# KiCad board omodri_sa_laas.kicad_pcb (continued)
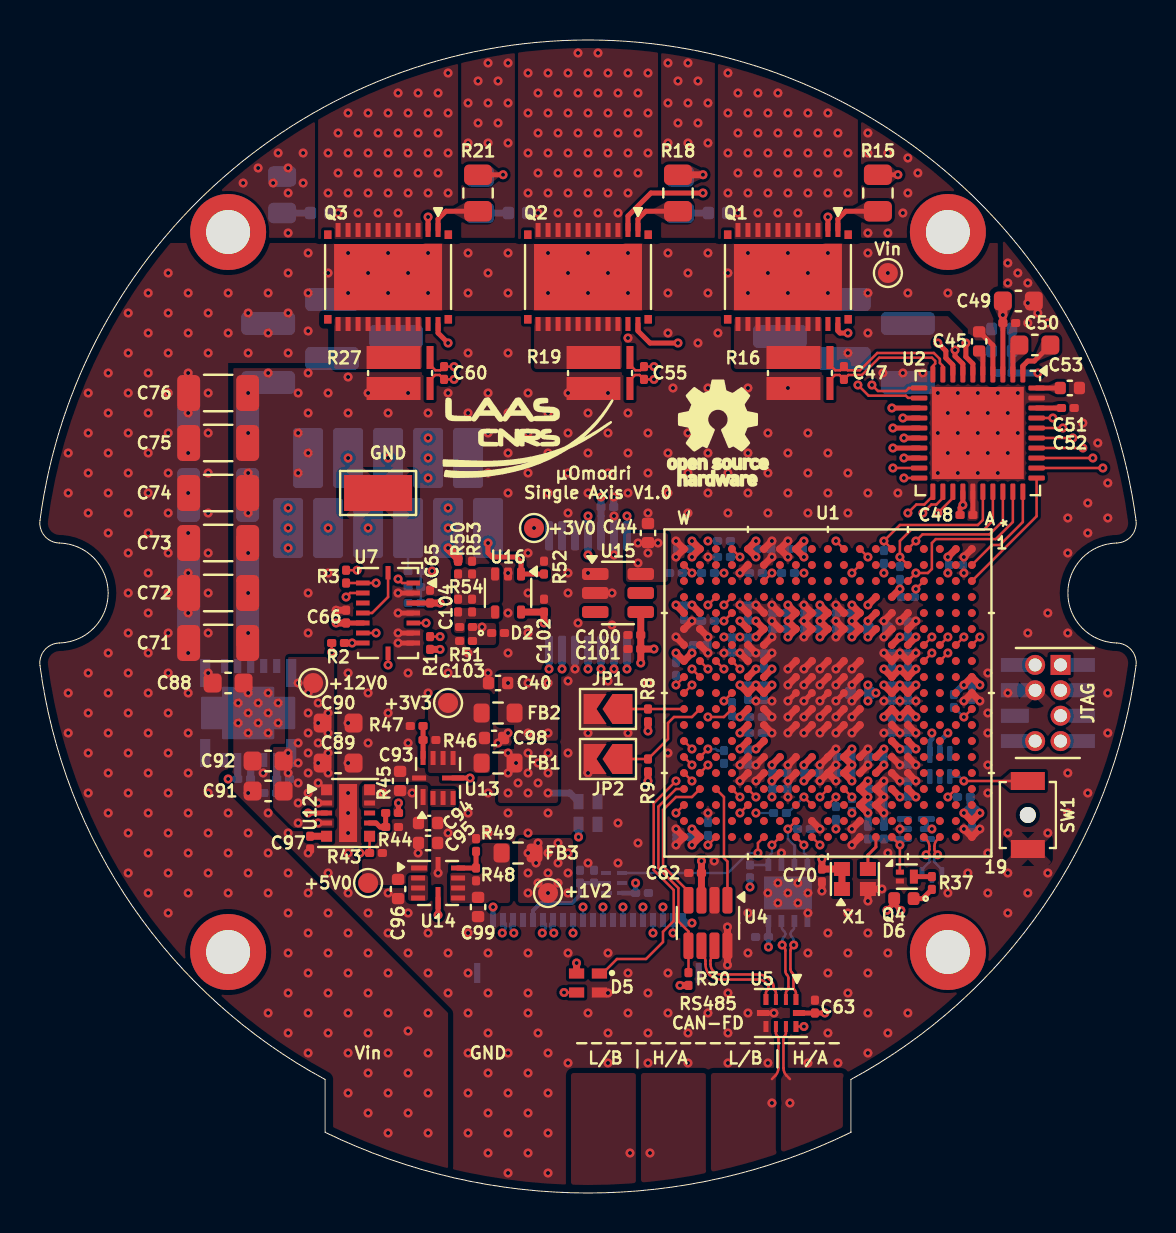
[diagram p0: board, top side]
## Library data of the parts (continued)
D5 = -: Datasheet: https://cdn-shop.adafruit.com/product-files/4492/Datasheet.pdf; Description: 0606, NeoPixel Addressable LED (1.5mm x 1.5mm); DigiKey: 1528-4492-ND; LCSC: C17701801; Mouser: 485-4492; Part No: SK6805-EC15; Manufacturer: IPIXEL LED LIGHT CO; Assembling: SMD
D6 = -: Datasheet: https://www.broadcom.com/products/leds-and-displays/chip-leds/0402-1.0-x-0.5mm-top-mount/hsmg-c280; Description: 0402, Top Mount miniature ChipLED, GREEN, Vf = 2.2-V @ 10-mA; DigiKey: 516-3066-1-ND; Farnell: 2494322; LCSC: C7466700; Mouser: 630-HSMG-C280; Part No: HSMG-C280; RS: 867-6560; Manufacturer: BROADCOM; Assembling: SMD; ki_fp_filters: LED* LED_SMD:* LED_THT:*
FB1-FB3 = -: Datasheet: https://www.murata.com/en-eu/products/productdetail?partno=BLM18SG221TN1%23; Description: 0603, 0.04Ω(DC), 220Ω(100MHz), ferrite bead; DigiKey: 490-5225-1-ND; Farnell: 1515753; LCSC: C88988; Mouser: 81-BLM18SG221TN1D; Part No: BLM18SG221TN1D; Manufacturer: MURATA; Assembling: SMD; ki_fp_filters: Inductor_* L_* *Ferrite*
G1 = -: Datasheet: https://www.laas.fr/fr/; Description: LAAS logo; Manufacturer: LAAS
G2 = -: Datasheet: https://www.oshwa.org/; Description: Open Hardware logo; Manufacturer: OSHWA
H1-H4 = -: Description: Mounting Hole with connection; Assembling: THT; ki_fp_filters: MountingHole*Pad*
J1 = -: Description: Generic connector, single row, 01x11, script generated (kicad-library-utils/schlib/autogen/connector/); ki_fp_filters: Connector*:*_1x??_*
J2 = -: Datasheet: https://www.molex.com/en-us/products/part-detail/5034802000; Description: Molex Easy-On FFC/FPC, FBH1 Series, Right-Angle, Dual Contact, PCB Header (503480-2000), 0.50mm Pitch, 20-Circuits; Assembling: SMD; DigiKey: WM1445CT-ND; Farnell: 3500427; LCSC: C234192; Manufacturer: MOLEX; Mouser: 538-503480-2000; Part No: 503480-2000; RS: 178-9540
J3 = -: Datasheet: https://suddendocs.samtec.com/catalog_english/clp_sm.pdf; Description: SAMTEC CLP Receptacle, 1.27mm Pitch, Double Row, 8-Circuits(02x04), Low profile; DigiKey: CLP-104-02-L-D-A-ND; Farnell: 1804325; LCSC: C6766483; Mouser: 200-CLP10402LDA; Part No: CLP-104-02-L-D-A; Manufacturer: SAMTEC; Assembling: SMD; ki_fp_filters: Connector*:*_2x??_*
JP1 JP2 = -: Description: Solder Jumper, 2-pole, open; ki_fp_filters: SolderJumper*Open*
Q1-Q3 = -: Datasheet: https://www.ti.com/lit/ds/symlink/csd88599q5dc.pdf; Description: VSON-CLIP-22, 60V, 40A Half-Bridge FET Power Block; DigiKey: 296-48289-1-ND; LCSC: C2871380; Mouser: 595-CSD88599Q5DC; Manufacturer: TEXAS INSTRUMENTS; Assembling: SMD; ki_fp_filters: DMM0022A
Q4 = -: Datasheet: https://assets.nexperia.com/documents/data-sheet/NX7002BKM.pdf; Description: 60 V, N-channel MOSFET in DFN1006-3 SMD package.; DigiKey: 1727-2232-1-ND; Farnell: 2498574; LCSC: C551611; Mouser: 771-NX7002BKMYL; Part No: NX7002BKMYL; Manufacturer: NEXPERIA; Assembling: SMD
R1 R10-R12 R26 R29-R31 R34-R36 R52 R54 = -: Datasheet: https://industrial.panasonic.com/sa/products/pt/general-purpose-chip-resistors/models/ERJ1GNF1002C; Description: 0201, 10kΩ, 0.05W, ±1%, SMD  resistor; DigiKey: P122414CT-ND; Farnell: 2302362; LCSC: C717002; Mouser: 667-ERJ-1GNF1002C; Part No: ERJ1GNF1002C; RS: 176-3597; Manufacturer: PANASONIC; Assembling: SMD; ki_fp_filters: R_*
R2 R3 = -: Datasheet: https://industrial.panasonic.com/sa/products/pt/general-purpose-chip-resistors/models/ERJ1GNJ100C; Description: 0201,10Ω, 0.05W, ±5%, SMD  resistor; DigiKey: P123219CT-ND; Farnell: 3303146; LCSC: C2073782; Mouser: 667-ERJ-1GNJ100C; Part No: ERJ1GNJ100C; Manufacturer: PANASONIC; Assembling: SMD; ki_fp_filters: R_*
R4 R13 R24 = -: Datasheet: https://industrial.panasonic.com/sa/products/pt/general-purpose-chip-resistors/models/ERJ1GNF1200C; Description: 0201,120Ω, 0.05W, ±1%, SMD  resistor; DigiKey: P122692CT-ND; Farnell: 2396857; LCSC: C278569; Mouser: 667-ERJ-1GNF1200C; Part No: ERJ1GNF1200C; Manufacturer: PANASONIC; Assembling: SMD; ki_fp_filters: R_*
R5 R7 = -: Datasheet: https://industrial.panasonic.com/sa/products/pt/general-purpose-chip-resistors/models/ERJ1GNJ100C; Description: 0201,10Ω, 0.05W, ±5%, SMD  resistor; DigiKey: P123219CT-ND; Farnell: 3303146; Mouser: 667-ERJ-1GNJ100C; Part No: ERJ1GNJ100C; LCSC: C2073782; Manufacturer: PANASONIC; Assembling: SMD; ki_fp_filters: R_*
R6 R8 R9 R25 R32 R33 = -: Datasheet: https://industrial.panasonic.com/sa/products/pt/general-purpose-chip-resistors/models/ERJ1GNF1002C; Description: 0201, 10kΩ, 0.05W, ±1%, SMD  resistor; DigiKey: P122414CT-ND; Farnell: 2302362; Mouser: 667-ERJ-1GNF1002C; Part No: ERJ1GNF1002C; RS: 176-3597; LCSC: C717002; Manufacturer: PANASONIC; Assembling: SMD; ki_fp_filters: R_*
R14 R22 R23 R37 R51 = -: Datasheet: https://industrial.panasonic.com/sa/products/pt/general-purpose-chip-resistors/models/ERJ1GNF1200C; Description: 0201,120Ω, 0.05W, ±1%, SMD  resistor; DigiKey: P122692CT-ND; Farnell: 2396857; Mouser: 667-ERJ-1GNF1200C; Part No: ERJ1GNF1200C; LCSC: C278569; Manufacturer: PANASONIC; Assembling: SMD; ki_fp_filters: R_*
R15 R18 = -: Datasheet: https://industrial.panasonic.com/sa/products/pt/small-and-high-power-chip-resistors/models/ERJP06J4R7V; Description: 0805,4.7Ω, 0.5W, ±5%, SMD  resistor; DigiKey: 10-ERJ-P06J4R7VCT-ND; Farnell: 4014627; LCSC: C543422; Mouser: 667-ERJ-P06J4R7V; Part No: ERJP06J4R7V; RS: 895-2580; Manufacturer: PANASONIC; Assembling: SMD; ki_fp_filters: R_*
R16 R19 R27 = -: Datasheet: https://www.ohmite.com/assets/docs/res_fc4l.pdf; Description: 1206, 5mΩ, 1W, ±1%, SMD Shunt resistor; DigiKey: 273-FC4L32R005FERCT-ND; Farnell: 2420555; Mouser: 588-FC4L32R005FER; Part No: FC4L32R005FER; RS: 126-0360; LCSC: C3971241; Manufacturer: OHMITE; Assembling: SMD; ki_fp_filters: R_*Shunt*
R17 = -: Datasheet: https://industrial.panasonic.com/sa/products/pt/small-and-high-power-chip-resistors/models/ERJP06J2R2V; Description: 0805, 2.2Ω, 0.5W, ±5%, SMD  resistor; DigiKey: 10-ERJ-P06J2R2VCT-ND; Farnell: 1750718; Mouser: 667-ERJ-P06J2R2V; Part No: ERJP06J2R2V; RS: 895-2564; LCSC: C543414; Manufacturer: PANASONIC; Assembling: SMD; ki_fp_filters: R_*
R20 R28 = -: Datasheet: https://industrial.panasonic.com/sa/products/pt/small-and-high-power-chip-resistors/models/ERJP06J2R2V; Description: 0805, 2.2Ω, 0.5W, ±5%, SMD  resistor; DigiKey: 10-ERJ-P06J2R2VCT-ND; Farnell: 1750718; LCSC: C543414; Mouser: 667-ERJ-P06J2R2V; Part No: ERJP06J2R2V; RS: 895-2564; Manufacturer: PANASONIC; Assembling: SMD; ki_fp_filters: R_*
R21 = -: Datasheet: https://industrial.panasonic.com/sa/products/pt/small-and-high-power-chip-resistors/models/ERJP06J4R7V; Description: 0805,4.7Ω, 0.5W, ±5%, SMD  resistor; DigiKey: 10-ERJ-P06J4R7VCT-ND; Farnell: 4014627; Mouser: 667-ERJ-P06J4R7V; Part No: ERJP06J4R7V; RS: 895-2580; LCSC: C543422; Manufacturer: PANASONIC; Assembling: SMD; ki_fp_filters: R_*
R38 = -: Datasheet: https://industrial.panasonic.com/sa/products/pt/general-purpose-chip-resistors/models/ERJ2RKF1003X; Description: 0402, 100kΩ, 0.1W, ±1%, SMD  resistor; DigiKey: P100KLCT-ND; Farnell: 2302839; Mouser: 667-ERJ-2RKF1003X; Part No: ERJ2RKF1003X; RS: 732-5255; LCSC: C192169; Manufacturer: PANASONIC; Assembling: SMD; ki_fp_filters: R_*
R39 = -: Datasheet: https://industrial.panasonic.com/sa/products/pt/general-purpose-chip-resistors/models/ERJ2RKF5101X; Description: 0402, 5.1kΩ, 0.1W, ±1%, SMD  resistor; DigiKey: P5.10KLCT-ND; Farnell: 2302709; Mouser: 667-ERJ-2RKF5101X; Part No: ERJ2RKF5101X; RS: 732-5536; LCSC: C278598; Manufacturer: PANASONIC; Assembling: SMD; ki_fp_filters: R_*
R40 R41 R43 R44 R46 = -: Datasheet: https://industrial.panasonic.com/sa/products/pt/general-purpose-chip-resistors/models/ERJ1GNF1003C; Description: 0201, 100kΩ, 0.05W, ±1%, SMD  resistor; DigiKey: P122655CT-ND; Farnell: 2302389; LCSC: C717003; Mouser: 667-ERJ-1GNF1003C; Part No: ERJ1GNF1003C; RS: 179-7130; Manufacturer: PANASONIC; Assembling: SMD; ki_fp_filters: R_*
R42 = -: Datasheet: https://industrial.panasonic.com/sa/products/pt/general-purpose-chip-resistors/models/ERJ1GNF9091C; Description: 0201, 9.09kΩ, 0.05W, ±1%, SMD  resistor; DigiKey: P123195CT-ND; Farnell: 3303126; LCSC: C2085464; Mouser: 667-ERJ-1GNF9091C; Part No: ERJ1GNF9091C; Manufacturer: PANASONIC; Assembling: SMD; ki_fp_filters: R_*
R45 = -: Datasheet: https://industrial.panasonic.com/sa/products/pt/general-purpose-chip-resistors/models/ERJ1GNF1372C; Description: 0201, 13.7kΩ, 0.05W, ±1%, SMD  resistor; DigiKey: P122722CT-ND; Farnell: 3335096; Mouser: 667-ERJ-1GNF1372C; Part No: ERJ1GNF1372C; LCSC: C4292942; Manufacturer: PANASONIC; Assembling: SMD; ki_fp_filters: R_*
R47 = -: Datasheet: https://industrial.panasonic.com/sa/products/pt/general-purpose-chip-resistors/models/ERJ1GNF2212C; Description: 0201, 22.1kΩ, 0.05W, ±1%, SMD  resistor; DigiKey: P122837CT-ND; Farnell: 3335196; LCSC: C4014639; Mouser: 667-ERJ-1GNF2212C; Part No: ERJ1GNF2212C; Manufacturer: PANASONIC; Assembling: SMD; ki_fp_filters: R_*
R48 R49 = -: Datasheet: https://industrial.panasonic.com/sa/products/pt/general-purpose-chip-resistors/models/ERJ1GNF1003C; Description: 0201, 100kΩ, 0.05W, ±1%, SMD  resistor; DigiKey: P122655CT-ND; Farnell: 2302389; LCSC: C717003; Mouser: 667-ERJ-1GNF1003C; Part No: ERJ1GNF1003C; Manufacturer: PANASONIC; Assembling: SMD; RS: 179-7130; ki_fp_filters: R_*
R50 R53 = -: Datasheet: https://industrial.panasonic.com/sa/products/pt/general-purpose-chip-resistors/models/ERJ1GNF1002C; Part No: ERJ1GNF1002C; Manufacturer: PANASONIC; Assembling: SMD; ki_fp_filters: R_*
R55 = -: Datasheet: https://industrial.panasonic.com/sa/products/pt/general-purpose-chip-resistors/models/ERJ1GNF1003C; Description: 0201, 100kΩ, 0.05W, ±1%, SMD  resistor; DigiKey: P122655CT-ND; Farnell: 2302389; Mouser: 667-ERJ-1GNF1003C; Part No: ERJ1GNF1003C; RS: 179-7130; LCSC: C717003; Manufacturer: PANASONIC; Assembling: SMD; ki_fp_filters: R_*
SW1 = -: Datasheet: https://omronfs.omron.com/en_US/ecb/products/pdf/en-b3u.pdf; Description: Push button switch, generic, two pins; DigiKey: SW1143CT-ND; Farnell: 1333654; Mouser: 653-B3U-1000P-B; LCSC: C231330; Manufacturer: OMRON; Assembling: SMD
TP1 = -: Datasheet: https://www.keyelco.com/product.cfm/Micro-Miniature/5015/product_id/1353; Description: test point; Assembling: SMD; DigiKey: 36-5015CT-ND; Farnell: 3858030; Mouser: 534-5015; Manufacturer: KEYSTONE; Part No: 5015; LCSC: C2906768; ki_fp_filters: Pin* Test*
TP2-TP7 = -: Description: test point; ki_fp_filters: Pin* Test*
U1 = -: Datasheet: https://www.ti.com/lit/ds/symlink/tms320f28388d.pdf; Description: C2000 family, 32-bit MCU with connectivity manager, 2x C28x+CLA CPU, 1.5-MB flash, FPU64, CLB, ENET, EtherCAT; DigiKey: 296-F28388DZWTS-ND; LCSC: C2879671; Mouser: 595-F28388DZWTS; Part No: F28388DZWTS; Manufacturer: TEXAS INSTRUMENTS; Assembling: SMD; ki_fp_filters: BGA_DZWTS_TEX
U2 = -: Datasheet: https://www.ti.com/lit/ds/symlink/drv8353.pdf; Description: QFN-40, 3-Phase Gate Driver; DigiKey: 296-DRV8353SRTATCT-ND; LCSC: C701785; Mouser: 595-DRV8353SRTAT; Part No: DRV8353SRTAT; Manufacturer: TEXAS INSTRUMENTS; Assembling: SMD
U3 = -: Datasheet: https://look.ams-osram.com/m/48d90c982e0879e8/original/AS5047U-DS000637.pdf; Description: TSSOP14, 14-Bit On-Axis relative and absolute magnetic rotary encoder; DigiKey: 4991-AS5047U-HTSMCT-ND; LCSC: C2153630; Mouser: 985-AS5047U-HTSM; Part No: AS5047U-HTSM; Manufacturer: OSRAM/AMS; Farnell: 4328200; RS: 200-9466; Assembling: SMD
U4 = -: Datasheet: https://www.ti.com/lit/ds/symlink/tcan3414.pdf; Description: SOT-23-8, CAN Transceiver (CAN FD capabilities), 8Mbps, 3.3V, standby  & shutdown mode.; DigiKey: 296-TCAN3414DDFRCT-ND; Mouser: 595-TCAN3414DDFR; Part No: TCAN3414DDFR; Manufacturer: TEXAS INSTRUMENTS; Assembling: SMD; ki_fp_filters: *TSOT?23* *SOIC*3.9x4.9mm*P1.27mm*
U5 = -: Datasheet: https://www.ti.com/lit/ds/symlink/ts3usb221e.pdf; Description: UQFN-10, High-Speed 1:2 Multiplexer/Demultiplexer Switch With Enable out, 3.3-V, 5.5-V IO tolerant.; DigiKey: 296-25222-1-ND; LCSC: C129313; Mouser: 595-TS3USB221ERSER; Part No: TS3USB221ERSER; Manufacturer: TEXAS INSTRUMENTS; Assembling: SMD; Farnell: 3124910; RS: 817-5575
U6 = -: Datasheet: https://www.ti.com/lit/ds/symlink/thvd2450.pdf; Description: VSON-8, RS-485 Transceiver, ±70-V Fault-Protected, 3.3-V to 5-V supply.; DigiKey: 296-THVD2450DRBRCT-ND; LCSC: C2878080; Mouser: 595-THVD2450DRBR; Part No: THVD2450DRBR; Manufacturer: TEXAS INSTRUMENTS; Assembling: SMD
U7 = -: Datasheet: https://www.bosch-sensortec.com/media/boschsensortec/downloads/datasheets/bst-bmi088-ds001.pdf; Description: LGA16, 6-axis Gyro & Accelero sensor; DigiKey: 828-1082-1-ND; LCSC: C194919; Mouser: 262-BMI088; Manufacturer: BOSCH; Assembling: SMD
U8 = -: Datasheet: https://www.ti.com/lit/ds/symlink/sn74lvc1g17.pdf; Description: USON-6, Single Schmitt Buffer Gate, Low-Voltage CMOS; Manufacturer: TEXAS INSTRUMENTS; Part No: SN74LVC1G17DRYR; Assembling: SMD; DigiKey: 296-21546-1-ND; Farnell: 3385748; LCSC: C2675521; Mouser: 595-SN74LVC1G17DRYR; ki_fp_filters: SOT?23* SOT?553* Texas?R-PDSO-G5?DCK* Texas?R-PDSO-N5?DRL* Texas?X2SON*0.8x0.8mm*P0.48mm*
U9 = -: Datasheet: https://www.ti.com/lit/ds/symlink/tps3703.pdf; Description: WSON-6, 3.3-V Over and Undervoltage Reset IC With Time Delay and Manual Reset,  3.3-V Supply; DigiKey: 296-TPS3703A7330DSERQ1CT-ND; LCSC: C1849519; Mouser: 595-S3703A7330DSERQ1; Part No: TPS3703A7330DSERQ1; Manufacturer: TEXAS INSTRUMENTS; Assembling: SMD
U10 = -: Datasheet: https://www.ti.com/lit/ds/symlink/tps3703.pdf; Description: WSON-6, 1.2-V Over and Undervoltage Reset IC With Time Delay and Manual Reset, 3.3V Supply; DigiKey: 296-TPS3703A7120DSERQ1CT-ND; LCSC: C1849508; Mouser: 595-S3703A7120DSERQ1; Part No: TPS3703A7120DSERQ1; Manufacturer: TEXAS INSTRUMENTS; Assembling: SMD
U11 = -: Datasheet: https://www.ti.com/lit/ds/symlink/tpsm560r6h.pdf; Description: B3QFN-15, 4.2-V to 60-V in, 1-V to 16-V out, 0.6-A step-down Converter With Integrated Inductor (5-mm x 5.5-mm x 4-mm); DigiKey: 296-TPSM560R6HRDARCT-ND; Mouser: 595-TPSM560R6HRDAR; Part No: TPSM560R6HRDAR; Manufacturer: TEXAS INSTRUMENTS; Assembling: SMD
U12 = -: Datasheet: https://www.ti.com/lit/ds/symlink/tpsm82903.pdf; Description: 1-A, 3-V to 17-V, High Efficiency and Low IQ Buck Converter Module in a MicroSiP Package with an Integrated Inductor; DigiKey: 296-TPSM82901SISRCT-ND; LCSC: C6290581; Mouser: 595-TPSM82901SISR; Part No: TPSM82901SISR; Manufacturer: TEXAS INSTRUMENTS; Assembling: SMD
U13 U14 = -: Datasheet: https://www.monolithicpower.com/en/documentview/productdocument/index/version/2/document_type/Datasheet/lang/en/sku/MPM3804GG/document_id/2122/; Description: QFN-10, 2.3V to 5.5V, 0.6A, Step-Down Converter /w Integrated Inductor in Ultra-Small 2x2x0.9mm; DigiKey: 1589-1982-1-ND; Farnell: 3358188; LCSC: C5799646; Mouser: 946-MPM3804GG-Z; Manufacturer: MPS; Assembling: SMD
U15 = -: Datasheet: https://www.analog.com/media/en/technical-documentation/data-sheets/lt6654.pdf; Description: SOT-23-6, 3.5-V to 36-V in, 3.0-V / 10-mA out, Precision voltage reference.; DigiKey: LT6654AIS6-3#TRMPBFCT-ND; LCSC: C673261; Mouser: 584-6654AIS63TRMPBF; Part No: LT6654AIS6-3#TRMPBF; Farnell: 2761957; Manufacturer: ANALOG DEVICES; Assembling: SMD; ki_fp_filters: MSOP*3x3mm*P0.65mm*
U16 = -: Datasheet: http://www.ti.com/lit/ds/symlink/opa333.pdf; Description: SC-70-5, Single 1.8V, microPower, CMOS Operational Amplifiers, Zero-Drift Series, SC-70-5; Manufacturer: TEXAS INSTRUMENTS; DigiKey: 296-19547-1-ND; Farnell: 3117524; LCSC: C44193; Mouser: 595-OPA333AIDCKR; Part No: OPA333AIDCKR; RS: 660-9782; Assembling: SMD; ki_fp_filters: *SC*70*
X1 = -: Datasheet: https://ecsxtal.com/store/pdf/ECS-TXO-2016.pdf; Description: 2016, TCXO Oscillators 25MHz, 3.3V, HCMOS, 2.5ppm; DigiKey: XC3163TR-ND; Farnell: 4059413; LCSC: C2451474; Mouser: 520-TXO-2016-33-250T; Part No: ECS-TXO-2016-33-250-TR; Manufacturer: ECS INTERNATIONAL; Assembling: SND

## Footprints (pads in the part's own frame, mm; a bottom-side part is the same pattern mirrored in y, then rotated)
B3QFN_15
  rect 1.4x0.5 smd: 1(-2,2.145) 7(-2,-2.155) 8(2,-2.155) 14(2,2.145)
  rect 0.7x0.35 smd: 2(-2.35,1.17) 3(-2.35,0.52) 4(-2.35,-0.13) 5(-2.35,-0.78) 6(-2.35,-1.43) 9(2.35,-1.43) 10(2.35,-0.78) 11(2.35,-0.13) 12(2.35,0.52) 13(2.35,1.17)
  custom 2.62x4.72 smd: 15(0,0)
Bosch_LGA-16_4.5x3.0mm_P0.5mm
  rect 0.675x0.25 smd: 1(1.262,1.5) 2(1.262,1) 3(1.262,0.5) 4(1.262,0) 5(1.262,-0.5) 6(1.262,-1) 7(1.262,-1.5) 9(-1.262,-1.5) 10(-1.262,-1) 11(-1.262,-0.5) 12(-1.262,0) 13(-1.262,0.5) 14(-1.262,1) 15(-1.262,1.5)
  rect 0.25x0.675 smd: 8(0,-2.013) 16(0,2.013)
C_0201_0603Metric
  rrect 0.318x0.36 smd: (-0.345,0) (0.345,0)
  rrect 0.46x0.4 smd: 1(-0.32,0) 2(0.32,0)
C_0402_1005Metric
  rrect 0.56x0.62 smd: 1(-0.48,0) 2(0.48,0)
C_0603_1608Metric
  rrect 0.9x0.95 smd: 1(-0.775,0) 2(0.775,0)
C_1206_3216Metric
  rrect 1.15x1.8 smd: 1(-1.475,0) 2(1.475,0)
C_1210_3225Metric
  rrect 1.15x2.7 smd: 1(-1.475,0) 2(1.475,0)
D_0201_0603Metric
  rrect 0.318x0.36 smd: (-0.345,0) (0.345,0)
  rrect 0.46x0.4 smd: 1(-0.32,0) 2(0.32,0)
Diodes_DFN1006-3
  rect 0.4x0.25 smd: 1(-0.35,0.225) 2(-0.35,-0.225)
  rect 0.4x0.7 smd: 3(0.35,0)
FC4L32
  rect 1.15x2.7 smd: 1(-0.775,-0.325) 4(0.775,-0.325)
  rect 1.15x0.35 smd: 2(-0.775,1.5) 3(0.775,1.5)
LED_0402_1005Metric
  rrect 0.59x0.64 smd: 1(-0.485,0) 2(0.485,0)
Molex_FBH1_FFC_FPC_503480-2000_1x20-2MP_P0.50mm_Horizontal
  rect 0.3x0.7 smd: 1(-4.75,2.65) 2(-4.25,2.65) 3(-3.75,2.65) 4(-3.25,2.65) 5(-2.75,2.65) 6(-2.25,2.65) 7(-1.75,2.65) 8(-1.25,2.65) 9(-0.75,2.65) 10(-0.25,2.65) 11(0.25,2.65) 12(0.75,2.65) 13(1.25,2.65) 14(1.75,2.65) 15(2.25,2.65) 16(2.75,2.65) 17(3.25,2.65) 18(3.75,2.65) 19(4.25,2.65) 20(4.75,2.65)
  rect 0.3x1 smd: MP1(-5.54,0) MP2(5.54,0)
MountingHole_2.2mm_M2_ISO14580_Pad_TopBottom
  round 2.6 hole 2.2: 1(0,0)
  round 3.8 smd: 1(0,0)
  round 3.8 smd far side: 1(0,0)
NeoPixel_SK6805_1.5x1.5mm
  rect 0.762x0.508 smd: 1(-0.572,-0.475) 2(0.572,-0.475) 3(0.572,0.475) 4(-0.572,0.475)
NFBGA_337
  round 0.4 smd: A1(-7.2,7.2) A2(-6.4,7.2) A3(-5.6,7.2) A4(-4.8,7.2) A5(-4,7.2) A6(-3.2,7.2) A7(-2.4,7.2) A8(-1.6,7.2) A9(-0.8,7.2) A10(0,7.2) A11(0.8,7.2) A12(1.6,7.2) A13(2.4,7.2) A14(3.2,7.2) A15(4,7.2) A16(4.8,7.2) A17(5.6,7.2) A18(6.4,7.2) A19(7.2,7.2) B1(-7.2,6.4) B2(-6.4,6.4) B3(-5.6,6.4) B4(-4.8,6.4) B5(-4,6.4) B6(-3.2,6.4) B7(-2.4,6.4) B8(-1.6,6.4) B9(-0.8,6.4) B10(0,6.4) B11(0.8,6.4) B12(1.6,6.4) B13(2.4,6.4) B14(3.2,6.4) B15(4,6.4) B16(4.8,6.4) B17(5.6,6.4) B18(6.4,6.4) B19(7.2,6.4) C1(-7.2,5.6) C2(-6.4,5.6) C3(-5.6,5.6) C4(-4.8,5.6) C5(-4,5.6) C6(-3.2,5.6) C7(-2.4,5.6) C8(-1.6,5.6) C9(-0.8,5.6) C10(0,5.6) C11(0.8,5.6) C12(1.6,5.6) C13(2.4,5.6) C14(3.2,5.6) C15(4,5.6) C16(4.8,5.6) C17(5.6,5.6) C18(6.4,5.6) C19(7.2,5.6) D1(-7.2,4.8) D2(-6.4,4.8) D3(-5.6,4.8) D4(-4.8,4.8) D5(-4,4.8) D6(-3.2,4.8) D7(-2.4,4.8) D8(-1.6,4.8) D9(-0.8,4.8) D10(0,4.8) D11(0.8,4.8) D12(1.6,4.8) D13(2.4,4.8) D14(3.2,4.8) D15(4,4.8) D16(4.8,4.8) D17(5.6,4.8) D18(6.4,4.8) D19(7.2,4.8) E1(-7.2,4) E2(-6.4,4) E3(-5.6,4) E4(-4.8,4) E5(-4,4) E6(-3.2,4) E7(-2.4,4) E8(-1.6,4) E9(-0.8,4) E10(0,4) E11(0.8,4) E12(1.6,4) E13(2.4,4) E14(3.2,4) E15(4,4) E16(4.8,4) E17(5.6,4) E18(6.4,4) E19(7.2,4) F1(-7.2,3.2) F2(-6.4,3.2) F3(-5.6,3.2) F4(-4.8,3.2) F5(-4,3.2) F6(-3.2,3.2) F7(-2.4,3.2) F8(-1.6,3.2) F9(-0.8,3.2) F10(0,3.2) F11(0.8,3.2) F12(1.6,3.2) F13(2.4,3.2) F14(3.2,3.2) F15(4,3.2) F16(4.8,3.2) F17(5.6,3.2) F18(6.4,3.2) F19(7.2,3.2) G1(-7.2,2.4) G2(-6.4,2.4) G3(-5.6,2.4) G4(-4.8,2.4) G5(-4,2.4) G6(-3.2,2.4) G14(3.2,2.4) G15(4,2.4) G16(4.8,2.4) G17(5.6,2.4) G18(6.4,2.4) G19(7.2,2.4) H1(-7.2,1.6) H2(-6.4,1.6) H3(-5.6,1.6) H4(-4.8,1.6) H5(-4,1.6) H6(-3.2,1.6) H8(-1.6,1.6) H9(-0.8,1.6) H10(0,1.6) H11(0.8,1.6) H12(1.6,1.6) H14(3.2,1.6) H15(4,1.6) H16(4.8,1.6) H17(5.6,1.6) H18(6.4,1.6) H19(7.2,1.6) J1(-7.2,0.8) J2(-6.4,0.8) J3(-5.6,0.8) J4(-4.8,0.8) J5(-4,0.8) J6(-3.2,0.8) J8(-1.6,0.8) J9(-0.8,0.8) J10(0,0.8) J11(0.8,0.8) J12(1.6,0.8) J14(3.2,0.8) J15(4,0.8) J16(4.8,0.8) J17(5.6,0.8) J18(6.4,0.8) J19(7.2,0.8) K1(-7.2,0) K2(-6.4,0) K3(-5.6,0) K4(-4.8,0) K5(-4,0) K6(-3.2,0) K8(-1.6,0) K9(-0.8,0) K10(0,0) K11(0.8,0) K12(1.6,0) K14(3.2,0) K15(4,0) K16(4.8,0) K17(5.6,0) K18(6.4,0) K19(7.2,0) L1(-7.2,-0.8) L2(-6.4,-0.8) L3(-5.6,-0.8) L4(-4.8,-0.8) L5(-4,-0.8) L6(-3.2,-0.8) L8(-1.6,-0.8) L9(-0.8,-0.8) L10(0,-0.8) L11(0.8,-0.8) L12(1.6,-0.8) L14(3.2,-0.8) L15(4,-0.8) L16(4.8,-0.8) L17(5.6,-0.8) L18(6.4,-0.8) L19(7.2,-0.8) M1(-7.2,-1.6) M2(-6.4,-1.6) M3(-5.6,-1.6) M4(-4.8,-1.6) M5(-4,-1.6) M6(-3.2,-1.6) M8(-1.6,-1.6) M9(-0.8,-1.6) M10(0,-1.6) M11(0.8,-1.6) M12(1.6,-1.6) M14(3.2,-1.6) M15(4,-1.6) M16(4.8,-1.6) M17(5.6,-1.6) M18(6.4,-1.6) M19(7.2,-1.6) N1(-7.2,-2.4) N2(-6.4,-2.4) N3(-5.6,-2.4) N4(-4.8,-2.4) N5(-4,-2.4) N6(-3.2,-2.4) N14(3.2,-2.4) N15(4,-2.4) N16(4.8,-2.4) N17(5.6,-2.4) N18(6.4,-2.4) N19(7.2,-2.4) P1(-7.2,-3.2) P2(-6.4,-3.2) P3(-5.6,-3.2) P4(-4.8,-3.2) P5(-4,-3.2) P6(-3.2,-3.2) P7(-2.4,-3.2) P8(-1.6,-3.2) P9(-0.8,-3.2) P10(0,-3.2) P11(0.8,-3.2) P12(1.6,-3.2) P13(2.4,-3.2) P14(3.2,-3.2) P15(4,-3.2) P16(4.8,-3.2) P17(5.6,-3.2) P18(6.4,-3.2) P19(7.2,-3.2) R1(-7.2,-4) R2(-6.4,-4) R3(-5.6,-4) R4(-4.8,-4) R5(-4,-4) R6(-3.2,-4) R7(-2.4,-4) R8(-1.6,-4) R9(-0.8,-4) R10(0,-4) R11(0.8,-4) R12(1.6,-4) R13(2.4,-4) R14(3.2,-4) R15(4,-4) R16(4.8,-4) R17(5.6,-4) R18(6.4,-4) R19(7.2,-4) T1(-7.2,-4.8) T2(-6.4,-4.8) T3(-5.6,-4.8) T4(-4.8,-4.8) T5(-4,-4.8) T6(-3.2,-4.8) T7(-2.4,-4.8) T8(-1.6,-4.8) T9(-0.8,-4.8) T10(0,-4.8) T11(0.8,-4.8) T12(1.6,-4.8) T13(2.4,-4.8) T14(3.2,-4.8) T15(4,-4.8) T16(4.8,-4.8) T17(5.6,-4.8) T18(6.4,-4.8) T19(7.2,-4.8) U1(-7.2,-5.6) U2(-6.4,-5.6) U3(-5.6,-5.6) U4(-4.8,-5.6) U5(-4,-5.6) U6(-3.2,-5.6) U7(-2.4,-5.6) U8(-1.6,-5.6) U9(-0.8,-5.6) U10(0,-5.6) U11(0.8,-5.6) U12(1.6,-5.6) U13(2.4,-5.6) U14(3.2,-5.6) U15(4,-5.6) U16(4.8,-5.6) U17(5.6,-5.6) U18(6.4,-5.6) U19(7.2,-5.6) V1(-7.2,-6.4) V2(-6.4,-6.4) V3(-5.6,-6.4) V4(-4.8,-6.4) V5(-4,-6.4) V6(-3.2,-6.4) V7(-2.4,-6.4) V8(-1.6,-6.4) V9(-0.8,-6.4) V10(0,-6.4) V11(0.8,-6.4) V12(1.6,-6.4) V13(2.4,-6.4) V14(3.2,-6.4) V15(4,-6.4) V16(4.8,-6.4) V17(5.6,-6.4) V18(6.4,-6.4) V19(7.2,-6.4) W1(-7.2,-7.2) W2(-6.4,-7.2) W3(-5.6,-7.2) W4(-4.8,-7.2) W5(-4,-7.2) W6(-3.2,-7.2) W7(-2.4,-7.2) W8(-1.6,-7.2) W9(-0.8,-7.2) W10(0,-7.2) W11(0.8,-7.2) W12(1.6,-7.2) W13(2.4,-7.2) W14(3.2,-7.2) W15(4,-7.2) W16(4.8,-7.2) W17(5.6,-7.2) W18(6.4,-7.2) W19(7.2,-7.2)
PinSocket_1x11_P1.00mm_SMD_Pin1Right_omodri_sa
  rrect 3x1.5 smd: 1(1.75,5) 2(-1.75,4) 3(1.75,3) 4(-1.75,2) 5(1.75,1) 6(-1.75,0) 7(1.75,-1) 8(-1.75,-2) 9(1.75,-3) 10(-1.75,-4) 11(1.75,-5)
QFN-10_2x2mm_P0.5mm
  rect 0.8x0.25 smd: 1(-0.95,0.75)
  rect 0.7x0.25 smd: 2(-1,0.25) 3(-1,-0.25) 4(-1,-0.75) 6(1,-0.75) 7(1,-0.25) 8(1,0.25) 9(1,0.75)
  rect 0.25x1.1 smd: 5(0,-0.75)
  rect 0.25x0.7 smd: 10(0,0.95)
QFN-40-1EP_6x6mm_P0.5mm_EP4.6x4.6mm
  rrect 0.93x0.93 smd: (-1.725,1.725) (-1.725,0.575) (-1.725,-0.575) (-1.725,-1.725) (-0.575,1.725) (-0.575,0.575) (-0.575,-0.575) (-0.575,-1.725) (0.575,1.725) (0.575,0.575) (0.575,-0.575) (0.575,-1.725) (1.725,1.725) (1.725,0.575) (1.725,-0.575) (1.725,-1.725)
  rrect 0.825x0.25 smd: 1(-2.938,2.25) 2(-2.938,1.75) 3(-2.938,1.25) 4(-2.938,0.75) 5(-2.938,0.25) 6(-2.938,-0.25) 7(-2.938,-0.75) 8(-2.938,-1.25) 9(-2.938,-1.75) 10(-2.938,-2.25) 21(2.938,-2.25) 22(2.938,-1.75) 23(2.938,-1.25) 24(2.938,-0.75) 25(2.938,-0.25) 26(2.938,0.25) 27(2.938,0.75) 28(2.938,1.25) 29(2.938,1.75) 30(2.938,2.25)
  rrect 0.25x0.825 smd: 11(-2.25,-2.938) 12(-1.75,-2.938) 13(-1.25,-2.938) 14(-0.75,-2.938) 15(-0.25,-2.938) 16(0.25,-2.938) 17(0.75,-2.938) 18(1.25,-2.938) 19(1.75,-2.938) 20(2.25,-2.938) 31(2.25,2.938) 32(1.75,2.938) 33(1.25,2.938) 34(0.75,2.938) 35(0.25,2.938) 36(-0.25,2.938) 37(-0.75,2.938) 38(-1.25,2.938) 39(-1.75,2.938) 40(-2.25,2.938)
  rect 4.6x4.6 smd: 41(0,0)
R_0201_0603Metric
  rrect 0.318x0.36 smd: (-0.345,0) (0.345,0)
  rrect 0.46x0.4 smd: 1(-0.32,0) 2(0.32,0)
R_0402_1005Metric
  rrect 0.54x0.64 smd: 1(-0.51,0) 2(0.51,0)
R_0603_1608Metric
  rrect 0.8x0.95 smd: 1(-0.825,0) 2(0.825,0)
R_0805_2012Metric
  rrect 1.025x1.4 smd: 1(-0.912,0) 2(0.912,0)
SAMTEC_CLP-104-02-L-D-BE
  rect 1x1 hole 0.65: 1(0.635,1.905)
  rect 1.4x0.7 smd far side: 1(1.65,1.905) 2(-1.65,1.905) 3(1.65,0.635) 4(-1.65,0.635) 5(1.65,-0.635) 6(-1.65,-0.635) 7(1.65,-1.905) 8(-1.65,-1.905)
  round 1 hole 0.65: 2(-0.635,1.905) 3(0.635,0.635) 4(-0.635,0.635) 5(0.635,-0.635) 7(0.635,-1.905) 8(-0.635,-1.905)
SolderJumper-2_P1.3mm_Open_TrianglePad1.0x1.5mm
  custom 1.5x1.5 smd: 1(-0.725,0)
  custom 1.15x1.5 smd: 2(0.725,0)
SOT886_USON_6_1.45x1.0mm_P0.5mm
  rect 0.55x0.2 smd: 1(-0.375,0.5)
  rect 0.5x0.2 smd: 2(-0.4,0) 3(-0.4,-0.5) 4(0.4,-0.5) 5(0.4,0) 6(0.4,0.5)
SOT-23-8
  rrect 1.325x0.5 smd: 1(-1.137,0.975) 2(-1.137,0.325) 3(-1.137,-0.325) 4(-1.137,-0.975) 5(1.137,-0.975) 6(1.137,-0.325) 7(1.137,0.325) 8(1.137,0.975)
SOT-353_SC-70-5
  rrect 0.65x0.4 smd: 1(-0.95,0.65) 2(-0.95,0) 3(-0.95,-0.65) 4(0.95,-0.65) 5(0.95,0.65)
SW_SPST_B3U-1000P-B
  round 0.8 hole 0.8 unplated: (0,0)
  rect 0.9x1.7 smd: 1(-1.7,0) 2(1.7,0)
TCXO_SMD_Ecs_TXO-2016-4Pin_2.0x1.6mm
  rect 0.8x0.7 smd: 1(-0.65,-0.5) 2(0.65,-0.5) 3(0.65,0.5) 4(-0.65,0.5)
TestPoint_Keystone_5015_Micro-Minature
  rect 3.4x1.8 smd: 1(0,0)
TestPoint_Pad_D1.0mm
  round 1 smd: 1(0,0)
TI_X2SON-3_1.3x0.6mm_P1.0mm
  rrect 0.4x0.25 smd: 1(-0.2,0) 2(0.2,-0.5) 3(0.2,0.5)
TSOT-23-6
  rrect 1.325x0.6 smd: 1(-1.137,0.95) 2(-1.137,0) 3(-1.137,-0.95) 4(1.137,-0.95) 5(1.137,0) 6(1.137,0.95)
TSSOP-14_4.4x5mm_P0.65mm
  rrect 1.475x0.4 smd: 1(-2.862,1.95) 2(-2.862,1.3) 3(-2.862,0.65) 4(-2.862,0) 5(-2.862,-0.65) 6(-2.862,-1.3) 7(-2.862,-1.95) 8(2.862,-1.95) 9(2.862,-1.3) 10(2.862,-0.65) 11(2.862,0) 12(2.862,0.65) 13(2.862,1.3) 14(2.862,1.95)
UQFN-10_1.5x2mm_P0.5mm
  rect 0.55x0.25 smd: 1(-0.675,0.75) 4(-0.675,-0.75) 6(0.675,-0.75) 9(0.675,0.75)
  rect 0.55x0.2 smd: 2(-0.675,0.25) 3(-0.675,-0.25) 7(0.675,-0.25) 8(0.675,0.25)
  rect 0.3x0.6 smd: 5(0,-0.9) 10(0,0.9)
uSIP_11
  rect 0.55x0.55 smd: 1(-1.075,1.163) 5(-1.075,-1.163) 6(1.075,-1.163) 10(1.075,1.163)
  rect 0.55x0.25 smd: 2(-1.075,0.5) 3(-1.075,0) 4(-1.075,-0.5) 7(1.075,-0.5) 8(1.075,0) 9(1.075,0.5)
  rect 0.9x2.9 smd: 11(0,0)
VSON-8-1EP_3.0x3.0mm_P0.65mm_EP1.65x2.4mm
  rect 0.6x0.3 smd: 1(-1.4,0.975) 2(-1.4,0.325) 3(-1.4,-0.325) 4(-1.4,-0.975) 5(1.4,-0.975) 6(1.4,-0.325) 7(1.4,0.325) 8(1.4,0.975)
  rect 1.65x2.4 smd: 9(0,0)
VSON_CLIP_22
  rect 0.7x0.25 smd: 1(-2.35,2.5) 2(-2.35,2) 3(-2.35,1.5) 4(-2.35,1) 5(-2.35,0.5) 6(-2.35,0) 7(-2.35,-0.5) 8(-2.35,-1) 9(-2.35,-1.5) 10(-2.35,-2) 11(-2.35,-2.5) 12(2.35,-2.5) 13(2.35,-2) 14(2.35,-1.5) 15(2.35,-1) 16(2.35,-0.5) 17(2.35,0) 18(2.35,0.5) 19(2.35,1) 20(2.35,1.5) 21(2.35,2) 22(2.35,2.5)
  rect 0.43x0.375 smd: 23(-2.115,3.013) 24(-2.115,-3.013) 25(2.115,-3.013) 26(2.115,3.013)
  rect 3.3x5.4 smd: 27(0,0)
WSON-6_1.5x1.5mm_P0.5mm
  rrect 0.85x0.28 smd: 1(-0.525,0.5)
  rrect 0.75x0.28 smd: 2(-0.575,0) 3(-0.575,-0.5) 4(0.575,-0.5) 5(0.575,0) 6(0.575,0.5)

## Nets
5V0: C93.1 C94.1 C95.1 C96.1 J1.1 J2.20 R43.1 R44.1 TP4.1 U12.9 U12.10 U13.1 U14.1
12V0: C49.1 C50.1 C89.1 C90.1 C91.1 C92.1 R40.1 TP3.1 U2.3 U11.7 U11.8 U12.1 U12.2 U12.4
/OMODRI_SA_MCU/Vbus: C87.1 D7.1 R38.2 R39.1 U1.T5
/OMODRI_SA_MOTOR_DRIVER/DVDD: C52.1 U2.38
/OMODRI_SA_POWER/OMODRI_SA_Alim_1V2/1V2: C99.1 FB3.1 R48.1 U14.6 U14.7 U14.8
/OMODRI_SA_POWER/OMODRI_SA_Alim_3V3/3V3: C98.1 FB1.1 FB2.1 R46.1 TP5.1 U13.6 U13.7 U13.8
/OMODRI_SA_POWER/OMODRI_SA_Alim_12V/V5V_12V0: R41.2 U11.11
/OMODRI_SA_USB/Vbus: C68.2 J2.16 R55.1 U8.2
